# Allegro board pc051c_toplevel_209edited.brd (continued)
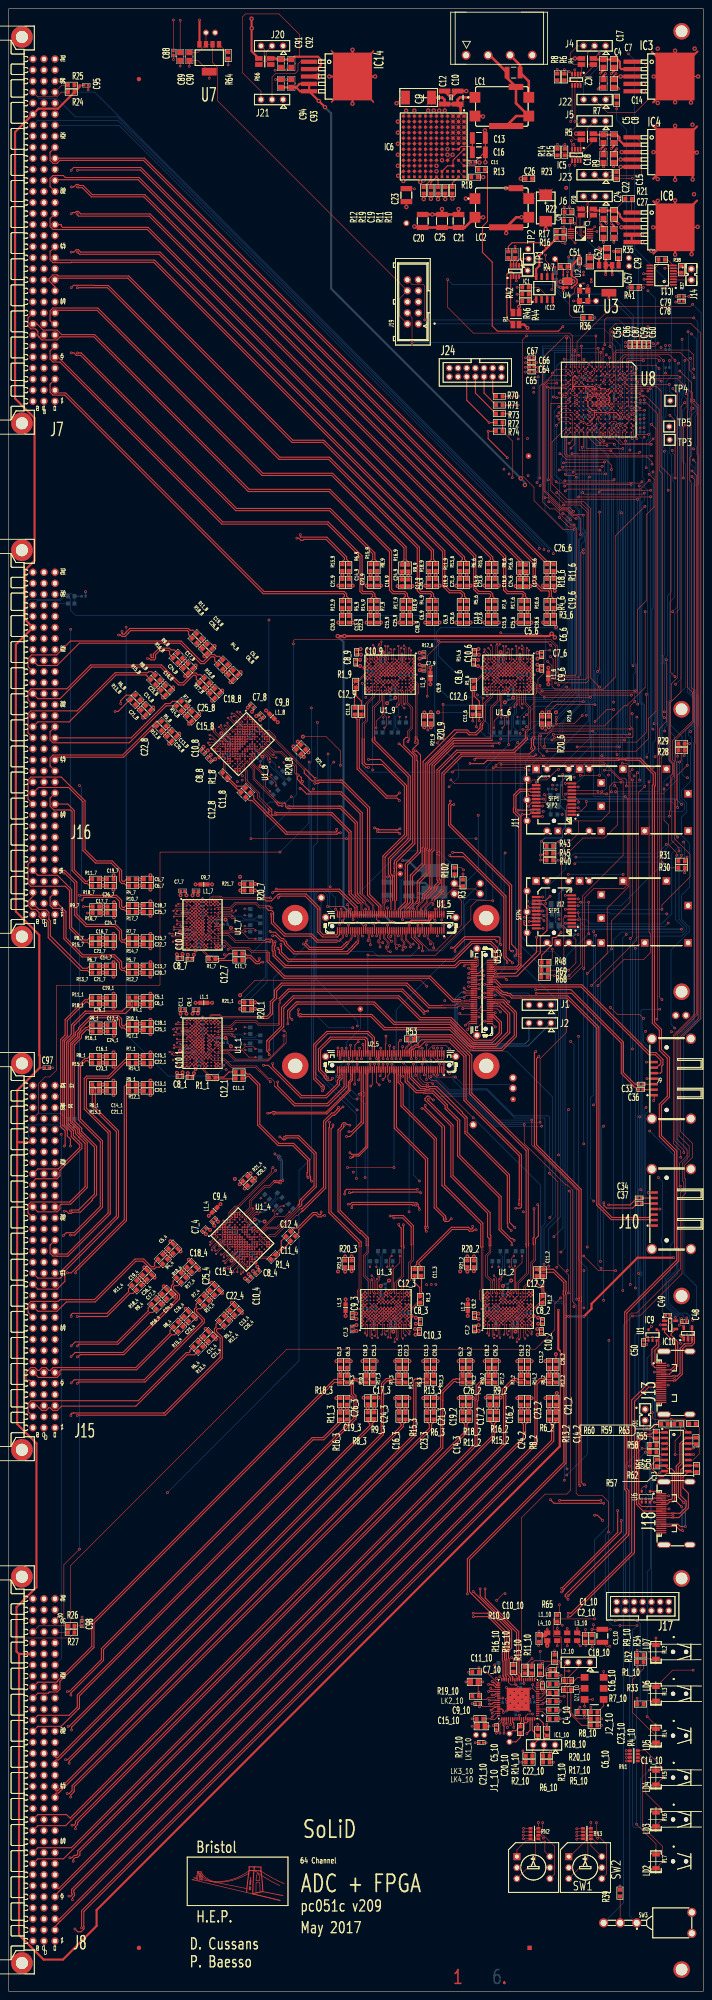
[diagram p0: board, top side]
## Routing (per net, layer and track width the routed paths; a pad name or vN(x,y) marks a point on that pad's centre or on a via; arc(x,y) is an arc through that point) (continued)
OUT_N<51>: length 68.5
  TOP w0.13: 82.4,171.6 82.44,171.56 82.52,171.56 82.52,170.16 81.72,169.36 81.72,164.53 82.9,163.35 82.9,160.2 U1_3.C9
  TOP w0.25: v1(78.6,199.3) 78.45,199.45 77.94,199.45 77.53,199.86 77.07,199.86 76.65,199.44 76.65,199.01 75.84,198.2 75.84,179.51 76.14,179.22 80.87,174.49 81.03,174.49 82.34,173.18 82.34,171.66 82.4,171.6 ; U2_5.62 85.25,214.9 85.3,214.85 85.3,214.13 v1(85.26,214.1)
  L3 w0.25: v1(78.6,199.3) 79.15,199.85 79.15,206.35 80.47,207.67 80.47,207.7 82.19,209.42 82.19,214.23 82.69,214.74 82.69,215.07 82.74,215.12 83.54,215.12 84.18,214.48 84.18,214.39 84.51,214.06 85.22,214.06 v1(85.26,214.1)
OUT_N<52>: length 58.8
  TOP w0.13: U1_3.J8 v4(88.5,159.4)
  TOP w0.18: v1(86.25,213.33) U2_5.57
  L3 w0.13: v4(88.5,159.4) 89.5,160.4 89.5,171.5
  L3 w0.25: 89.5,171.5 89.7,171.7 89.7,172.13 85.45,176.38 85.45,205.96 86.56,207.08 86.86,207.37 86.86,209 86.75,209.11 86.75,209.56 86.76,209.57 86.76,210.03 86.75,210.04 86.75,212.83 v1(86.25,213.33)
OUT_N<53>: length 114
  TOP w0.13: 90.91,170.97 90.91,164.48 89.3,162.86 89.3,160.2 U1_3.K9
  TOP w0.18: v1(86.25,214.57) U2_5.58
  TOP w0.25: v1(90.93,176.37) 90.93,171.64 90.91,171.62 91.03,171.5 91.03,171.09 90.91,170.97
  L3 w0.25: v1(90.93,176.37) 90.6,176.7 90.6,179.06 91.28,179.74 91.28,200.5 91.53,200.75 105.05,200.75 114.8,210.5 114.8,215.81 113.31,217.3 112.89,217.3 108.74,217.3 105.17,220.87 104.36,221.68 104.13,221.68 103.56,222.25 88.35,222.25 86.25,220.15 86.25,217.32 86.31,217.27 86.31,216.8 86.25,216.75 v1(86.25,214.57)
OUT_N<54>: length 60.3
  TOP w0.13: U1_3.M7 v4(90.1,158.6)
  TOP w0.18: v1(87.25,213.33) U2_5.53
  L3 w0.13: v4(90.1,158.6) 90.7,159.2 90.7,162.76 91.98,164.04 91.98,171.8
  L3 w0.25: 91.98,171.8 91.97,171.81 91.97,171.94 87.25,176.66 87.25,203.44 88.22,204.42 88.22,208.73 88.33,208.84 88.33,208.86 88.5,209.03 88.5,209.8 87.25,211.05 v1(87.25,213.33)
OUT_N<55>: length 107.2
  TOP w0.13: 92.82,171.8 92.82,168.36 92.12,167.66 92.12,163.76 90.52,162.16 90.52,161.32 90.1,160.9 90.1,159.4 U1_3.L8
  TOP w0.18: v1(87.25,214.57) U2_5.54
  TOP w0.25: v1(88.7,177.95) 90.74,177.95 92.7,175.99 92.7,171.8 92.82,171.8
  L3 w0.25: v1(87.25,214.57) 87.25,217.31 87.19,217.37 87.19,218.53 87.25,218.59 87.25,219.19 89.21,221.15 103.15,221.15 107.05,217.25 107.05,214.53 106.7,214.18 106.7,210.95 107.44,210.21 107.44,204.44 104.95,201.95 90.65,201.95 90.4,201.7 90.4,180.1 88.7,178.4 v1(88.7,177.95)
OUT_N<56>: length 69.2
  TOP w0.13: U1_2.E7 v4(113.45,158.6)
  TOP w0.25: U2_5.47 88.75,211.16 88.81,211.1 88.81,198.59 96,191.4 96,176.12 95.89,176.01 95.89,175.55 96,175.44 96,175.1 v1(96.2,174.9)
  L3 w0.13: 107.99,171.39 108.15,171.23 108.15,165.3 111.25,162.2 111.25,161.46 112.21,160.5 112.21,159.84 v4(113.45,158.6)
  L3 w0.25: 107.99,171.39 104.48,174.9 v1(96.2,174.9)
OUT_N<57>: length 95.8
  TOP w0.13: 108.85,171.18 108.85,161.64 108.47,161.26 108.47,161.02 108.45,161 108.45,159.25 109.11,158.59 109.68,158.59 109.69,158.59 109.79,158.59 109.8,158.6 110.25,158.6 U1_2.B8
  TOP w0.18: v1(88.75,217.2) U2_5.48
  TOP w0.25: v1(95.2,203.15) 95.49,203.15 99.8,198.84 99.8,185.45 100.54,184.7 108.73,176.52 108.73,171.3 108.85,171.18
  L3 w0.25: v1(88.75,217.2) 88.75,218.4 88.85,218.5 88.85,219.21 89.89,220.25 102.56,220.25 105.8,217.01 105.8,208.9 100.05,203.15 v1(95.2,203.15)
OUT_N<58>: length 62.7
  TOP w0.13: U1_2.D10 111.95,160.9 111.95,163.6 v4(111.75,163.8)
  TOP w0.25: U2_5.41 90.25,211.15 90.25,211.15 90.24,210.81 90.19,210.77 90.19,209.36 90.85,208.7 90.85,203.9 98.5,196.25 98.5,180.49 100.64,178.35 100.64,177.75 100.69,177.7 v1(100.7,177.7)
  L3 w0.13: 109.87,171.3 109.87,165.78 111.75,163.9 v4(111.75,163.8)
  L3 w0.25: 109.87,171.3 104.47,176.7 102.18,176.7 101.97,176.5 101.51,176.5 100.7,177.31 v1(100.7,177.7)
OUT_N<59>: length 89.4
  TOP w0.13: 110.67,171.56 110.67,170.16 109.87,169.36 109.87,164.53 111.05,163.35 111.05,160.2 U1_2.C9
  TOP w0.18: v1(90.25,218.85) 89.75,218.35 U2_5.44
  TOP w0.25: 110.67,171.56 110.67,173.24 110.31,173.61 110.31,179.04 101.85,187.49 101.85,199.11 95.88,205.08 95.88,205.43 96.43,205.98 96.78,205.98 97.66,205.1 v1(97.8,205.1)
  L3 w0.25: v1(90.25,218.85) 90.56,218.85 90.61,218.9 102.2,218.9 104.8,216.3 104.8,210.64 99.51,205.35 99.5,205.35 98.9,204.75 98.15,204.75 v1(97.8,205.1)
OUT_N<60>: length 66.8
  TOP w0.13: U1_2.J8 v4(116.65,159.4)
  TOP w0.25: U2_5.35 91.75,211.6 91.81,211.54 91.81,209.5 94.04,207.27 95.75,207.27 95.86,207.16 97.84,207.16 101.01,203.99 101.01,203.32 103.31,201.03 103.9,200.44 103.9,192.41 113.44,182.86 113.44,175.44 115.7,173.19 116.06,173.19 v1(116.45,172.8)
  L3 w0.13: 117.6,171.7 117.6,160.35 v4(116.65,159.4)
  L3 w0.25: 117.6,171.7 116.5,172.8 v1(116.45,172.8)
OUT_N<61>: length 83.1
  TOP w0.13: U1_2.K9 117.45,160.2 117.45,162.86 119.7,165.11 119.7,171.52
  TOP w0.15: U2_5.38 91.25,216.75 91.47,216.97 91.47,217.3 92.07,217.89 92.07,218.29 92.02,218.34 92,218.34 91.85,218.49 R53.1 92.8,220.1
  TOP w0.25: 119.7,171.52 119.7,171.64 119.75,171.69 119.75,172.11 119.68,172.18 119.68,193.66 106.67,206.68 106.67,215.44 102.01,220.1 92.8,220.1
OUT_N<62>: length 68.4
  TOP w0.13: U1_2.M7 v4(118.25,158.6)
  TOP w0.25: U2_5.31 92.75,211.36 92.81,211.3 92.81,210.47 95.08,208.2 96.06,208.2 96.22,208.04 96.68,208.04 96.84,208.2 98.6,208.2 104.53,202.27 104.53,202.07 105.31,201.3 105.6,201.01 105.6,197.66 115.35,187.91 115.35,176.95 v1(116.58,175.72)
  L3 w0.13: v4(118.25,158.6) 118.85,159.2 118.85,162.76 120.13,164.04 120.13,172.13 120.1,172.15
  L3 w0.25: 120.1,172.15 116.6,175.66 116.6,175.7 v1(116.58,175.72)
OUT_N<63>: length 86.4
  TOP w0.13: U1_2.L8 118.25,159.4 118.25,160.9 118.67,161.32 118.67,162.16 120.27,163.76 120.27,167.66 120.97,168.36 120.97,171.8
  TOP w0.25: v1(121.02,180.1) 121.02,173.52 120.8,173.3 120.8,171.97 120.97,171.8 ; U2_5.34 92.25,216.75 92.35,216.85 92.35,216.86 92.79,217.3 93.1,217.3 93.54,217.74 94.2,217.74 94.25,217.79 v1(94.25,217.8) 94.25,218.1 95.1,218.95 101.7,218.95 105.35,215.3 105.35,205.2 118.1,192.45 118.1,181.29 118.11,181.28 118.11,180.82 118.1,180.81 118.1,180.45 117.85,180.2 v1(116.8,180.2)
  L3 w0.25: v1(116.8,180.2) 120.92,180.2 v1(121.02,180.1)
  BOTTOM w0.25: v1(94.25,217.8) 94.2,217.85 R54.1
OUT_P<0>: length 84.5
  TOP w0.13: U1_6.E8 v4(116.6,300.55) ; U1_5.17 96.25,243.19 96.37,243.07 96.37,242.23 97,241.6 97,241.2 v1(97.2,241)
  L3 w0.13: v4(116.6,300.55) 117.46,299.69 117.46,299.29 118.42,298.33 118.42,297.59 121.52,294.49 121.52,288.65
  L3 w0.25: v1(97.2,241) 97.56,241.28 98.07,241.28 98.42,241.64 101.66,241.64 102.9,242.88 102.9,244.6 104.07,245.77 104.07,246.59 104.11,246.63 104.11,247.57 104.07,247.61 104.07,250.31 105.7,251.94 105.7,277.81 107.54,279.65 115.15,279.65 119.2,283.7 119.61,283.7 121.85,283.7 122.1,283.95 122.1,286.9 121.6,287.4 121.46,287.54 121.46,288.59 121.52,288.65
OUT_P<1>: length 75.4
  TOP w0.13: 98.03,251.08 98.03,250.82 97.8,250.6 97.54,250.6 97.48,250.53 97.4,250.53 96.13,249.26 96.13,248.83 96.25,248.71 U1_5.18 ; 120.82,288.65 120.82,298.47 121.2,298.85 121.2,300.56 120.78,300.98 120.53,300.98 120.52,300.98 120.41,300.98 120.39,300.95 U1_6.A8
  TOP w0.25: 98.03,251.08 98.34,251.39 98.43,251.39 98.72,251.68 99.64,252.61 99.64,252.78 99.97,253.11 100.14,253.11 100.26,253.23 100.26,280.04 104.42,284.2 121.1,284.2 v1(121.44,284.54) ; v1(120.4,286) 120.4,288.23 120.82,288.65
  L3 w0.25: v1(121.44,284.54) 120.4,285.57 v1(120.4,286)
OUT_P<2>: length 74
  TOP w0.13: v4(118.3,295.25) 117.72,295.83 117.72,298.87 117.41,299.19 117.41,299.51 117.8,299.91 U1_6.D9
  TOP w0.18: U1_5.23 94.75,243.12 v1(94.5,242.87)
  L3 w0.13: v4(118.3,295.25) 118.56,295.25 119.8,294.01 119.8,288.15 ; v1(94.5,242.87) 94.75,243.12 94.75,247.25 95.6,248.1 95.6,250.5 95.7,250.6 95.7,250.68 95.88,250.87 95.97,250.87 96.04,250.94 96.04,251.03 96.06,251.05
  L3 w0.25: 96.06,251.05 96.38,251.36 96.38,251.88 96.38,251.93 104.01,259.57 104.07,259.57 104.5,260 104.5,277.85 107.18,280.53 113.13,280.53 119.8,287.2 119.8,288.15
OUT_P<3>: length 70.3
  TOP w0.13: U1_5.24 94.75,248.71 94.87,248.83 94.87,249.27 96.3,250.7 96.3,251.4 96.3,251.77 96.27,251.8 96.27,251.85 ; 119,289.95 119.8,290.75 119.8,295.26 118.62,296.44 118.62,296.83 118.6,296.85 U1_6.C10
  TOP w0.25: 96.27,251.85 98.03,253.61 98.03,253.97 98.16,254.1 98.16,254.49 98.88,255.21 98.88,255.52 98.65,255.75 98.65,261.56 98.66,261.57 98.66,262.03 98.65,262.04 98.65,281.06 103.19,285.59 116.19,285.59 116.93,286.33 117.03,286.33 119,288.3 119,289.95
OUT_P<4>: length 69.1
  TOP w0.13: U1_6.J7 v4(113.4,301.35) ; 95.14,251.42 95.14,251.33 95.2,251.27 95.2,250.86 94.34,250 94.3,250 93.87,249.57 93.87,248.83 93.75,248.71 U1_5.28
  TOP w0.25: v1(113,287.2) 102.5,287.2 102.39,287.09 102.39,287.05 97.5,282.16 97.5,262.84 96.99,262.34 96.99,254.18 96.78,253.96 96.78,253.88 96.78,253.82 95.35,252.39 95.35,251.8 95.29,251.74 95.29,251.57 95.14,251.42
  L3 w0.13: v4(113.4,301.35) 113.84,300.9 113.84,300.37 113.58,300.11 113.49,300.11 112.78,299.39 112.78,287.95
  L3 w0.25: v1(113,287.2) 112.78,287.42 112.78,287.95
OUT_P<5>: length 65.4
  TOP w0.13: 94.21,250.32 94.17,250.32 94.13,250.35 93.91,250.35 93.74,250.19 93.08,249.53 93.04,249.53 92.75,249.24 92.75,249.2 92.63,249.08 92.63,248.83 92.75,248.71 U1_5.32 ; 111.37,287.92 111.37,295.32 113,296.95 U1_6.K10
  TOP w0.25: 111.37,287.92 111.29,287.92 111.19,287.83 102.58,287.83 96.9,282.15 96.9,262.78 96.61,262.49 96.61,257.11 94.6,255.1 94.6,250.71 94.21,250.32
OUT_P<6>: length 74.4
  TOP w0.13: v1(93.16,240.96) 92.71,240.96 91.63,242.04 91.63,243.07 91.75,243.19 U1_5.35 ; U1_6.L7 v4(112.6,301.35)
  L3 w0.13: v4(112.6,301.35) 111.6,300.35 111.6,297.05 110.3,295.75 110.3,288.15 ; v1(93.16,240.96) 92.71,240.96 91.92,241.75 91.92,242.42 93.4,243.9 93.4,247.3 94.5,248.4 94.5,249.4 94.56,249.46 94.56,249.49
  L3 w0.25: 94.56,249.49 94.56,249.93 94.62,249.99 94.62,250.92 103.83,260.13 104.12,260.42 104.12,278.01 108.95,282.84 108.95,283 110.3,284.35 110.3,288.15
OUT_P<7>: length 65.2
  TOP w0.13: 91.37,249.43 91.22,249.28 91.22,248.87 91.25,248.84 U1_5.38 ; U1_6.M8 111,300.55 111,297.95 109.4,296.35 109.4,292.45 108.7,291.75
  TOP w0.25: 91.37,249.43 92.5,250.56 92.5,256.76 92.65,256.91 92.65,256.95 95.24,259.54 95.24,263.07 95.45,263.28 95.45,283 102.7,290.25 105.59,290.25 106.24,289.6 107.5,289.6 108.58,290.69 108.58,291.41 108.7,291.53 108.7,291.75
OUT_P<8>: length 74.4
  TOP w0.13: U1_5.41 90.25,243.19 90.37,243.07 90.37,241.93 91,241.3 91,241.02 90.61,240.62 90.61,240.22 90.77,240.06 v1(90.77,239.6) ; U1_9.E8 v4(89.45,300.55)
  L3 w0.13: 94.37,288.65 94.37,294.49 91.27,297.59 91.27,298.33 90.31,299.29 90.31,299.69 v4(89.45,300.55) ; 92.5,251.39 93.16,250.73 93.16,250.63 92.24,249.71 92.24,246.71 91.14,245.61 91.14,242.11 90.57,241.53 90.57,240.26 90.77,240.06 v1(90.77,239.6)
  L3 w0.25: 92.5,251.39 88.71,255.18 88.71,259.47 88.96,259.72 88.96,260.18 88.71,260.43 88.71,278.82 94.6,284.71 94.6,287.49 94.31,287.78 94.31,288.59 94.37,288.65
OUT_P<9>: length 56.7
  TOP w0.13: U1_9.A8 93.24,300.95 93.26,300.98 93.37,300.98 93.38,300.98 93.63,300.98 94.05,300.56 94.05,298.85 93.67,298.47 93.67,288.65
  TOP w0.25: v1(93.65,285.45) 93.9,285.45 94.85,284.5 94.85,262.15 94.7,262 94.7,261.99 91.85,259.14 91.85,250.44 90.25,248.84 U1_5.42 ; v1(93.65,287.35) 93.65,288.63 93.67,288.65
  L4 w0.25: v1(93.65,285.45) v1(93.65,287.35)
OUT_P<10>: length 71.5
  TOP w0.13: U1_5.47 88.75,243.19 88.94,243 88.94,240.86 89.13,240.67 89.13,240.19 v1(89.36,239.96) ; v4(91.15,295.25) 90.57,295.83 90.57,298.87 90.25,299.19 90.25,299.51 90.65,299.91 U1_9.D9
  L3 w0.13: v4(91.15,295.25) 91.41,295.25 92.65,294.01 92.65,287.15 91.85,286.35 91.7,286.2 91.7,285.79 91.7,285.79 91.7,285.36 91.67,285.33 ; v1(89.36,239.96) 89.36,240.41 89.16,240.62 89.16,241.22 90.4,242.47 90.4,245.4 89.64,246.16 89.64,247.2 91.4,248.96 91.4,249.1 91.34,249.16
  L3 w0.25: 91.67,285.33 87.99,281.65 87.7,281.36 87.7,260.74 87.34,260.39 87.34,259.51 87.7,259.16 87.7,256.74 87.81,256.63 87.81,256.17 87.7,256.06 87.7,254.95 90.65,252 90.65,249.85 90.94,249.56 91.34,249.16
OUT_P<11>: length 56
  TOP w0.13: 91.85,288.5 91.85,289.95 92.65,290.75 92.65,295.26 91.47,296.44 91.47,296.83 91.45,296.85 U1_9.C10 ; U1_5.46 89.25,248.71 89.13,248.83 89.13,250.89 89.27,251.03 89.3,251.03 89.35,251.08
  TOP w0.25: 89.35,251.08 89.35,256.7 89.3,256.75 89.3,256.96 89.28,256.98 89.28,257.53 89.35,257.6 89.35,258.5 89.28,258.57 89.28,259.33 89.35,259.4 89.35,259.85 93.55,264.05 93.55,284.23 91,286.78 91,288 91.5,288.5 91.85,288.5
OUT_P<12>: length 67.5
  TOP w0.13: U1_9.J7 v4(86.25,301.35)
  TOP w0.18: U1_5.51 87.62,243.97 87.62,243.26 87.49,243.13 87.48,243.13 87.3,242.95 87.3,242.5 v1(88.2,241.6)
  L3 w0.13: 89.52,249.79 89.52,249.76 89.46,249.7 89.46,249.31 89.46,249.09 89.07,248.7 89.07,246.47 89.16,246.38 89.16,245.76 89.07,245.67 89.07,242.41 88.79,242.13 88.7,242.13 88.55,242.1 v1(88.2,241.6) ; 85.63,287.95 85.63,299.39 86.34,300.11 86.43,300.11 86.69,300.37 86.69,300.9 v4(86.25,301.35)
  L3 w0.25: 89.52,249.79 89.52,250.23 89.58,250.29 89.58,252.23 87.3,254.51 87.3,255.79 87.25,255.84 87.02,255.84 86.69,256.17 86.69,256.63 87.02,256.96 87.25,256.96 87.3,257.01 87.3,259.02 86.96,259.36 86.96,260.54 87.3,260.88 87.3,283.25 85.8,284.75 85.8,287.78 85.63,287.95
OUT_P<13>: length 57.9
  TOP w0.13: 84.22,288.65 84.22,295.32 85.85,296.95 U1_9.K10 ; U1_5.50 88.25,250.85 88.42,251.02
  TOP w0.25: 88.42,251.02 88.42,256.59 88.31,256.71 88.31,256.84 87.95,257.19 87.95,260.45 92.51,265.01 92.51,279.62 84.22,287.92 84.34,288.04 84.34,288.53 84.22,288.65
OUT_P<14>: length 74.8
  TOP w0.13: v1(87.9,239.2) 87.44,239.2 87.31,239.33 87.31,239.49 86.76,240.04 86.76,240.45 87.34,241.04 87.34,241.29 86.37,242.26 86.37,243.07 86.25,243.19 U1_5.57 ; U1_9.L7 v4(85.45,301.35)
  L3 w0.13: 83.03,289.45 83.03,295.63 84.45,297.05 84.45,300.35 v4(85.45,301.35) ; 87.18,252.29 87.2,252.28 87.2,252.01 87.45,251.76 87.58,251.76 87.69,251.65 87.82,251.65 88.54,250.92 88.54,247.6 88.36,247.42 88.29,247.42 86.75,245.89 86.75,242.19 88.09,240.85 88.09,239.87 87.97,239.75 87.85,239.68 87.75,239.59 87.75,239.43 v1(87.9,239.2)
  L3 w0.25: 87.18,252.29 86.35,253.12 86.35,255.27 85.81,255.81 85.81,256.99 86.35,257.53 86.35,258.73 86.09,258.99 86.09,260.91 86.35,261.17 86.35,281.7 83.15,284.9 83.15,288.67 83.27,288.79 83.27,289.21 83.03,289.45
OUT_P<15>: length 66.4
  TOP w0.13: 86.69,250.49 86.69,250.29 86.55,250.15 86.55,248.91 86.75,248.71 U1_5.56 ; U1_9.M8 83.85,300.55 83.85,297.95 82.25,296.35 82.25,292.45 81.4,291.6 81.4,288.3
  TOP w0.25: 81.4,288.3 81.4,282.55 82.35,281.6 v1(82.85,281.6) ; v1(82.85,283.45) 85.65,283.45 91.34,277.76 91.64,277.46 91.64,265.94 86.69,260.99 86.69,250.49
  L3 w0.25: v1(82.85,283.45) v1(82.85,281.6)
OUT_P<16>: length 68.7
  TOP w0.13: U1_8.E8 v4(56.68,286.43) ; U1_5.61 85.25,243.19 85.37,243.07 85.37,242.16 85.01,241.79 85.01,241.39 85.54,240.86 v1(85.54,240.3)
  L3 w0.13: 84.98,249.19 84.98,249.16 85.04,249.1 85.04,247.49 85.22,247.32 85.8,246.73 85.8,245.9 85.54,245.64 v1(85.54,240.3) ; 68.57,281.5 64.44,285.63 60.06,285.63 59.54,286.15 58.18,286.15 57.89,286.43 v4(56.68,286.43)
  L3 w0.25: 84.98,249.19 84.98,249.63 84.92,249.69 84.92,250.33 85.6,251.01 85.6,251.92 84.92,252.6 84.92,253.02 84.92,253.88 72,266.8 72,279.7 71.2,280.5 69.5,280.5 68.57,281.43 68.57,281.5
OUT_P<17>: length 58.1
  TOP w0.13: U1_8.A8 59.07,289.4 59.07,289.43 59.15,289.51 59.15,289.52 59.33,289.7 59.92,289.7 61.13,288.49 61.13,287.95 68.08,281
  TOP w0.25: 68.08,281 68.08,280.33 69.9,278.51 71.21,278.51 71.4,278.7 76.39,278.7 76.81,278.7 83.15,272.36 83.15,252.4 85.75,249.8 U1_5.60
OUT_P<18>: length 57.5
  TOP w0.13: v4(61.63,283.89) 60.81,283.89 58.66,286.04 58.21,286.04 57.98,286.27 57.98,286.83 U1_8.D9
  TOP w0.18: v1(83.8,245.8) 84.25,245.35 U1_5.65
  L3 w0.13: v1(83.8,245.8) 83.98,245.79 84.17,245.58 84.37,245.58 84.48,245.7 84.48,245.95 83.65,246.79 83.52,249.93 83.96,250.37 83.96,250.42 ; 68.1,279.5 67.71,279.89 67.71,279.93 63.56,284.07 61.81,284.07 v4(61.63,283.89)
  L3 w0.25: 83.96,250.42 83.96,253.29 68.85,268.4 68.85,278.7 68.1,279.45 68.1,279.5
OUT_P<19>: length 55.3
  TOP w0.13: U1_8.C10 60.71,285.23 60.74,285.23 61.01,284.96 62.68,284.96 65.87,281.77 65.87,280.33 66.32,279.88 66.58,279.88 66.68,279.78 66.68,279.6 ; 81.45,252.55 84.13,249.87 84.13,248.83 84.25,248.71 U1_5.66
  TOP w0.25: 66.68,279.6 66.5,279.42 66.5,278.9 67.14,278.26 67.14,278.12 67.47,277.79 67.61,277.79 69.4,276 76.61,276 81.45,271.16 81.45,252.55
OUT_P<20>: length 59.6
  TOP w0.13: v1(82.77,241.77) 82.77,242.37 82.87,242.47 82.87,243.07 82.75,243.19 U1_5.71 ; U1_8.J7 v4(53.85,284.74)
  L3 w0.13: v1(82.77,241.77) 82.8,241.8 82.8,242.8 83.1,243.1 83.1,250.01 82.92,250.19 82.92,250.75 83.14,250.97 83.17,250.97 83.22,251.02 ; 63.13,274.43 63.1,274.45 63.09,274.45 62.89,274.65 62.89,274.82 54.8,282.91 54.8,283.92 54.86,283.99 54.86,284.36 54.48,284.74 v4(53.85,284.74)
  L3 w0.25: 83.22,251.02 83.22,253.29 65.56,270.95 65.56,273.14 64.94,273.76 63.8,273.76 63.13,274.43
OUT_P<21>: length 54.8
  TOP w0.13: U1_8.K10 56.68,281.34 56.68,279.03 61.91,273.8 ; 81.64,250.51 81.66,250.51 82.87,249.3 82.87,248.83 82.75,248.71 U1_5.72
  TOP w0.25: 61.91,273.8 62.31,273.4 63.6,273.4 63.8,273.2 63.8,272.6 64.2,272.2 64.21,272.2 64.27,272.14 64.73,272.14 64.79,272.2 76.35,272.2 79.8,268.75 79.8,252.35 81.64,250.51
OUT_P<22>: length 55.9
  TOP w0.13: U1_8.L7 v4(53.28,284.17)
  TOP w0.18: U1_5.77 81.25,243.05 v1(81.5,242.8)
  L3 w0.13: v4(53.28,284.17) 53.28,282.76 55.62,280.42 55.62,278.59 60.99,273.21 ; 80.84,247.75 80.86,247.73 80.86,247.64 81.63,246.87 81.63,244.62 81.35,244.34 81.24,244.34 81.07,244.28 81.07,243.92 v1(81.5,242.8)
  L3 w0.25: 80.84,247.75 80.52,248.06 80.52,248.15 80.1,248.57 80.1,254.7 61.7,273.1 61.1,273.1 60.99,273.21
OUT_P<23>: length 55.8
  TOP w0.13: 80.81,250.65 80.9,250.56 81.02,250.56 81.02,250.55 81.02,250.54 81.39,250.18 81.39,248.96 81.52,248.83 81.63,248.83 81.75,248.71 U1_5.76 ; 59.77,272.09 57.31,274.54 57.31,275.62 54.56,278.37 54.56,280.64 52.72,282.47 U1_8.M8
  TOP w0.25: 59.77,272.09 59.77,272.07 60.1,271.74 60.1,271.6 v1(60,271.5) ; v1(61.4,271.2) 61.48,271.2 74.5,271.2 78.87,266.83 78.87,253.26 78.89,253.24 78.89,252.57 80.81,250.65
  L3 w0.25: v1(60,271.5) 61.1,271.5 v1(61.4,271.2)
OUT_P<24>: length 38.9
  TOP w0.13: U1_7.E8 v4(47.05,247)
  TOP w0.25: U1_5.84 79.75,249.35 76,253.1 61.89,253.1 61.86,253.07 61.4,253.07 61.37,253.1 61.26,253.1 60.97,252.82 v1(60.82,252.82)
  L3 w0.13: v4(47.05,247) 47.91,247.86 48.31,247.86 49.27,248.82 50.01,248.82 53.11,251.92 59.07,251.92 59.1,251.95
  L3 w0.25: 59.1,251.95 59.16,251.95 60.03,252.82 v1(60.82,252.82)
OUT_P<25>: length 38.8
  TOP w0.13: 58.95,251.22 49.13,251.22 48.75,251.6 47.04,251.6 46.62,251.18 46.62,250.93 46.62,250.92 46.62,250.81 46.65,250.79 U1_7.A8
  TOP w0.25: 58.95,251.22 59.27,250.9 60.5,250.9 62,252.4 62.19,252.4 62.29,252.5 68.5,252.5 71.7,249.3 71.7,248.89 71.7,243.9 72.5,243.1 75.5,243.1 75.75,243.35 U1_5.99
OUT_P<26>: length 47.9
  TOP w0.13: U1_7.D9 47.69,248.2 48.09,247.81 48.41,247.81 48.73,248.12 51.77,248.12 v4(52.35,248.7) ; U1_5.87 78.75,243.19 78.87,243.07 78.87,242.47 78.67,242.27 78.67,242.07 78.12,241.52 78.12,241.5 78.07,241.45 77.95,241.45 77.92,241.48 77.87,241.48
  TOP w0.25: v1(68.71,241.81) 68.43,241.53 68.43,241.18 69.41,240.2 76.59,240.2 77.73,241.34 77.87,241.48
  L3 w0.13: 58.95,250.08 58.83,250.2 53.59,250.2 52.35,248.96 v4(52.35,248.7)
  L3 w0.25: 58.95,250.08 59.33,250.08 59.45,250.2 59.66,250.2 59.78,250.08 62.79,250.08 63.41,250.7 67.9,250.7 71.28,247.32 71.28,244.68 68.77,242.17 68.77,241.86 68.72,241.81 v1(68.71,241.81)
OUT_P<27>: length 35.9
  TOP w0.13: U1_5.95 76.75,243.19 76.87,243.07 76.87,242.57 76.4,242.1 76.39,242.1 76.38,242.09 76.38,242.08 76.12,241.82 75.65,241.82 75.63,241.84 75.63,241.87 75.6,241.9 ; U1_7.C10 50.75,249 50.77,249.02 51.16,249.02 52.34,250.2 56.85,250.2 57.75,249.3 59.3,249.3
  TOP w0.25: 75.6,241.9 71.2,241.9 69.8,243.3 63.7,243.3 61,246 61,247.64 61.03,247.67 61.03,248.13 61,248.16 61,248.3 60.6,248.7 59.9,248.7 59.3,249.3
OUT_P<28>: length 41.5
  TOP w0.13: 80.01,241.54 80.04,241.57 80.38,241.86 80.42,241.91 80.42,243.01 80.25,243.19 U1_5.81 ; U1_7.J7 v4(46.25,243.8)
  TOP w0.25: 80.01,241.54 80.01,241.41 79.15,240.55 79.15,240.47 77.9,239.22 65.89,239.22 64.02,241.09 64.02,241.45 63.25,242.22 62.89,242.22 61.41,243.7 60.4,243.7 v1(60.2,243.9)
  L3 w0.13: 60.2,243.73 59.65,243.18 48.21,243.18 47.49,243.89 47.49,243.98 47.23,244.25 46.7,244.25 v4(46.25,243.8)
  L3 w0.25: 60.2,243.73 v1(60.2,243.9)
OUT_P<29>: length 65.1
  TOP w0.13: U1_7.K10 50.65,243.4 52.28,241.77 58.95,241.77
  TOP w0.25: U3_5.4 104.07,236.7 102.91,235.54 63.61,235.54 60.9,238.25 60.9,239.24 60.68,239.45 60.68,240.55 60.9,240.76 60.9,241.21 60.84,241.27 60.84,241.76 60.51,242.1 59.28,242.1 58.95,241.77
OUT_P<30>: length 77.4
  TOP w0.13: U1_7.L7 v4(46.25,243)
  TOP w0.25: U3_5.3 110.9,236.75 111.85,236.75 111.85,236.76 112.01,236.76 112.6,237.35 112.6,240.1 111.1,241.6 106.55,241.6 102.43,237.48 64.48,237.48 62.82,239.15 62.82,240.34 62.7,240.45 v1(62.7,240.9)
  L3 w0.13: v4(46.25,243) 47.25,242 50.55,242 51.85,240.7 59.45,240.7
  L3 w0.25: v1(62.7,240.9) 60.06,240.9 59.92,240.76 59.51,240.76 59.45,240.7
OUT_P<31>: length 67.7
  TOP w0.13: U3_5.40 106.24,227.7 106.12,227.82 105.2,227.82 105.01,227.64 104.16,227.64 104.1,227.7 ; U1_7.M8 47.05,241.4 49.65,241.4 51.25,239.8 55.15,239.8 55.85,239.1 59.45,239.1 59.5,239.05
  TOP w0.25: 104.1,227.7 102.29,227.7 96.89,233.1 63.39,233.1 59.5,236.99 59.5,239.05
OUT_P<32>: length 88.4
  TOP w0.13: U1_1.E8 v4(47.05,219.75)
  TOP w0.25: U3_5.39 111.8,227.7 111.85,227.64 113.86,227.64 114.14,227.36 114.14,227.24 114.79,226.59 114.91,226.59 116.45,225.05 116.45,219.95 113.5,217 107.11,217 107.03,217.08 106.47,217.08 101.8,221.75 86.65,221.75 83.62,224.78 83.21,224.78 67.22,224.78 v1(67.2,224.8)
  L3 w0.13: v4(47.05,219.75) 47.91,220.61 48.31,220.61 49.27,221.57 50.01,221.57 53.11,224.67 61.49,224.67 61.53,224.71 67.11,224.71 v1(67.2,224.8)
OUT_P<33>: length 70
  TOP w0.13: U1_1.A8 46.62,223.38 46.62,224.42 46.75,224.55 48.55,224.55 49.13,223.97 58.3,223.97
  TOP w0.18: U3_5.44 103.7,226.7 103.3,226.3 100.6,226.3
  TOP w0.25: 100.6,226.3 96.74,226.3 91.54,231.5 63.06,231.5 61.72,230.16 61.72,228.46 60.75,227.49 60.75,224.9 59.7,223.85 58.74,223.85 58.62,223.97 58.3,223.97
OUT_P<34>: length 87
  TOP w0.13: U1_1.D9 47.69,220.95 48.09,220.56 48.41,220.56 48.73,220.87 51.77,220.87 v4(52.35,221.45)
  TOP w0.25: U3_5.43 113.01,226.7 114.92,224.79 114.92,220.77 112.03,217.88 107.47,217.88 107.39,217.96 106.83,217.96 101.79,223 88.87,223 84.51,227.36 84.22,227.65 66.66,227.65 66.66,227.65 66.24,227.65 64.25,225.66 64.25,223.89 64.3,223.84 v1(64.3,222.6)
  L3 w0.13: v4(52.35,221.45) 52.35,221.71 53.59,222.95 63.65,222.95 64,222.6 v1(64.3,222.6)
OUT_P<35>: length 75.4
  TOP w0.13: 62.6,228.1 62.6,227.37 62.44,227.21 62.44,222.59 62.35,222.5 62.15,222.3 57.5,222.3 56.85,222.95 52.34,222.95 51.16,221.77 50.77,221.77 50.75,221.75 U1_1.C10
  TOP w0.18: U3_5.49 v1(112.08,225.2)
  TOP w0.25: 62.6,228.1 64.6,230.1 90.54,230.1 v1(95.68,224.96)
  L3 w0.25: v1(95.68,224.96) 95.77,225.05 96.26,225.05 96.3,225.01 96.76,225.01 96.8,225.05 101.75,225.05 102.9,223.9 105.26,223.9 106.5,225.14 109.23,225.14 109.29,225.2 v1(112.08,225.2)
OUT_P<36>: length 88.7
  TOP w0.13: U1_1.J7 v4(46.25,216.55)
  TOP w0.25: v1(60,216.6) 60,218.59 63.35,221.94 63.35,226.19 65.71,228.55 89.69,228.55 94.69,223.55 101.78,223.55 106.99,218.34 107.4,218.34 111.45,218.34 113.5,220.39 113.5,223 112.35,224.14 112.35,224.16 111.82,224.7 111.38,224.7 111.38,224.7 U3_5.51
  L3 w0.13: v4(46.25,216.55) 46.7,217 47.23,217 47.49,216.73 47.49,216.64 48.24,215.9 59.7,215.9 60,216.2 v1(60,216.6)
OUT_P<37>: length 66.2
  TOP w0.13: U1_1.K10 50.65,216.15 52.3,214.5 59.83,214.5 63.4,218.07 v1(63.4,219.9)
  TOP w0.18: v1(105.7,221.3) 106,221.6 106,222.55 106.15,222.7 U3_5.60
  L3 w0.25: v1(105.7,221.3) 105.28,221.3 104.52,222.06 104.52,222.37 104.09,222.8 66.45,222.8 64.55,220.89 64.08,220.89 63.6,220.41 63.6,220.1 v1(63.4,219.9)
OUT_P<38>: length 39.2
  TOP w0.13: U1_1.L7 v4(46.25,215.75)
  TOP w0.25: v1(60.8,213.45) 60.8,212.8 67.5,206.1 72.99,206.1 75.7,208.81 75.7,209.65 76.31,210.26 76.31,210.72 76.25,210.78 U2_5.97
  L3 w0.13: v1(60.8,213.45) 59.32,213.45 59.21,213.57 58.49,213.57 58.38,213.45 51.85,213.45 50.55,214.75 47.25,214.75 v4(46.25,215.75)
OUT_P<39>: length 41
  TOP w0.13: U1_1.M8 47.05,214.15 49.65,214.15 51.25,212.55 56.85,212.55 57.81,211.59 57.92,211.59 60.02,209.49 60.02,209.38 60.1,209.3 v1(60.25,209.3)
  TOP w0.25: v1(61.95,209.25) 61.95,208.31 66.01,204.25 73.35,204.25 77.25,208.15 U2_5.93
  L3 w0.25: v1(61.95,209.25) 60.3,209.25 v1(60.25,209.3)
OUT_P<40>: length 54.6
  TOP w0.13: U1_4.E8 v4(54.37,175.83)
  TOP w0.25: v1(61.05,201.9) 73.28,201.9 78.62,207.25 78.62,209.1 79.19,209.67 79.19,211.05 79.25,211.11 U2_5.85
  L3 w0.13: 60.45,193.86 60.45,193.81 60.42,193.78 60.42,193.37 60.36,193.31 60.36,188.74 59.5,187.88 59.25,187.74 59.23,187.65 55.17,183.59 55.17,179.21 54.65,178.69 54.65,177.33 54.37,177.04 v4(54.37,175.83)